# Altium PCB MB1428.PcbDoc (part 4 of 7) (continued)
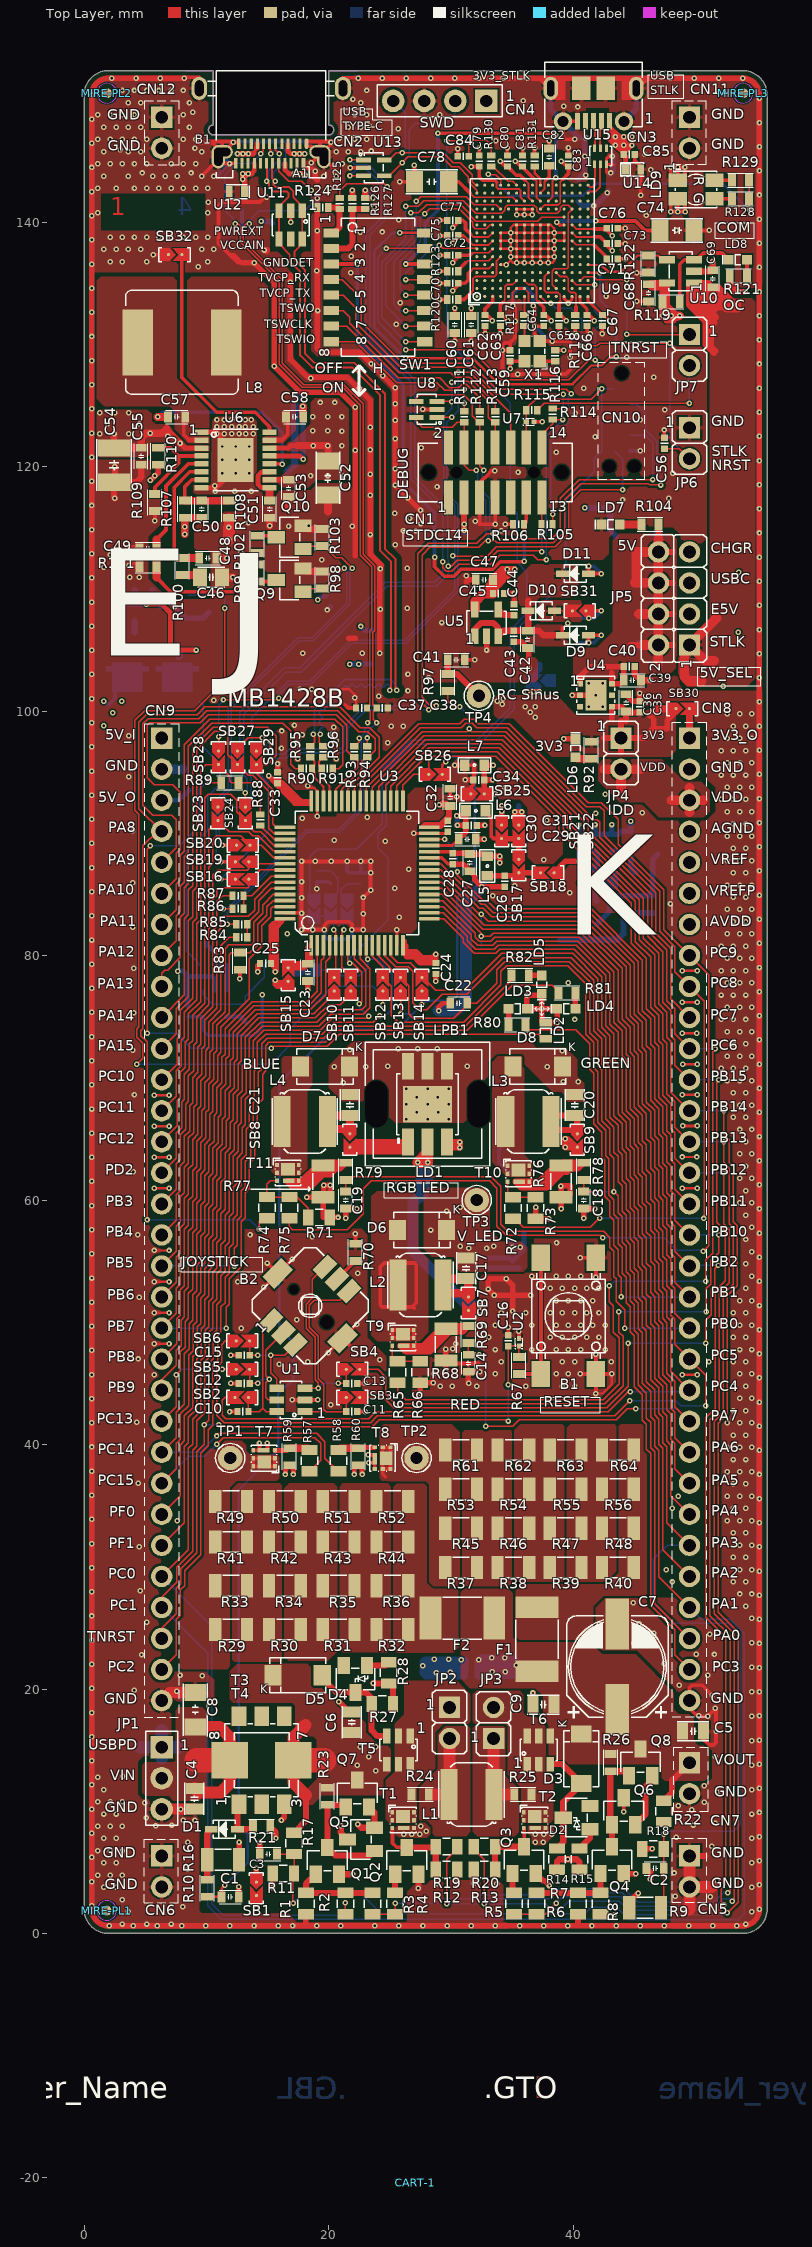
[diagram p0: Top Layer view]
## Nets (pads, with @x,y where several pads share a name; then routed paths per layer and width w, separated by ;. In a path a pad name is that pad's centre, name@x,y a point inside that pad or via, vN(x,y) a via of type N, cw(c..) or ccw(c..) an arc to the next point about the centre after c; other vN are vias at no path point) (continued)
  Bottom Layer w0.45: v1(7.4,108.55) 8.35,107.6 Q14.2@8.5,107.6 9.725,107.6 R141.1@10.225,108.1 ; v1(8.2,151.775) 2,151.775 ccw(c2,150.4) v1(0.625,150.4) 0.625,4.325 0.625,2.053 ccw(c2.053,2.053) v1(2.053,0.625) v1(15.878,0.625) ; 15.078,0.65 29.678,0.65 v1(29.703,0.625) 49.3,0.625 53.88,0.625 ccw(c53.88,2) v1(55.255,2) 55.255,2.428 55.25,2.428 55.25,150.405 ccw(c53.88,150.405) v1(53.88,151.775) v1(22.425,151.775) ; 19.075,142.312 v1(19.075,141.95) v1(19.075,139.3) 19.075,129.675 v1(19.375,129.375) 22.525,129.375 v1(24.45,127.45) v1(25.45,126.45) 25.425,126.425 25.45,126.4 v1(25.45,125.15) 25.45,123.85 25.425,123.825 v1(25.45,123.8) v1(25.45,122.3) v1(25.45,119.825) v1(25.45,118.5) v1(27.525,116.425) v1(27.525,115.35) ; v1(19.9,108.275) 20.15,108.525 ; CN3.8@38.175,150.95 38.175,149.25 CN3.7@39.175,148.25 40.5,146.925 v1(41.025,146.925) 40.95,146.85 v1(40.95,145.4) 40.95,143.9 v1(41.025,143.825) 40.755,143.825 40.43,143.5 ; 40.43,141.7 40.805,141.325 v1(41.705,141.325) 41.805,141.325 42.805,142.325 v1(42.805,142.4) 42.98,142.575 ; v1@42.98,143.93 v1(43.075,144.025) 43.3,144.25 43.3,145.325 v1(43.225,145.4) ; CN3.6@44.175,148.25 45.175,149.25 CN3.9@45.175,150.95
  Bottom Layer w0.5: v1(47.985,144.48) v1(49.16,144.48)
  Bottom Layer w0.6: 16.625,119.575 17.225,120.175 17.225,125.6 17.7,126.075
  Bottom Layer w0.8: CN9.2@6.35,95.25 8.05,95.25
  other v1: 4.028,0.625 7.978,0.625 9.953,0.625 11.928,0.625 13.903,0.625 23.778,0.625 25.753,0.625 27.728,0.625 33.653,0.625 35.628,0.625 37.603,0.625 39.578,0.625 41.553,0.625 43.528,0.625 45.503,0.625 47.478,0.625 49.453,0.625 51.428,0.625 53.403,0.625 17.053,0.65 19.028,0.65 21.003,0.65 3.125,0.775 5.125,0.775 7.125,0.775 54.125,0.775 3.625,1.775 54.625,1.775 8.075,2.175 0.624,2.275 3.125,2.775 51.225,3 48.375,3.05 1.625,3.775 2.625,3.775 54.625,3.775 55.255,3.975 28.875,4.075 33.75,4.075 0.624,4.25 51.8,4.325 1.125,4.775 2.125,4.775 3.125,4.775 48.275,4.95 8.475,5.275 1.625,5.775 2.625,5.775 54.625,5.775 55.255,5.95 0.624,6.225 1.125,6.775 2.125,6.775 3.125,6.775 51.35,7.15 8.5,7.45 36.925,7.45 37.575,7.45 1.625,7.775 2.625,7.775 54.625,7.775 48.45,7.875 55.255,7.925 26.15,8.125 26.8,8.125 27.45,8.125 36.925,8.125 37.6,8.125 38.25,8.125 0.624,8.2 28,8.375 1.125,8.775 2.125,8.775 3.125,8.775 27.55,8.775 5.875,8.825 7.175,8.875 49.85,8.875 51.65,9.025 8.1,9.275 9.075,9.275 5.1,9.45 1.625,9.775 2.625,9.775 54.625,9.775 55.255,9.9 49.725,10.125 7.925,10.15 0.624,10.175 48.625,10.45 4.975,10.7 50.725,10.75 1.125,10.775 2.125,10.775 3.125,10.775 51.8,11.575 1.625,11.775 54.625,11.775 55.255,11.875 50.75,12.075 0.624,12.15 1.125,12.775 3.175,12.85 54.625,13.775 55.255,13.85 0.624,14.125 51.65,14.475 54.625,15.775 55.255,15.825 0.624,16.1 54.625,17.775 50.3,17.8 55.255,17.8 0.624,18.075 54.625,19.775 55.255,19.775 7.575,19.825 4.1,19.9 0.624,20.05 48.7,20.3 9.675,21.1 7.85,21.125 51.025,21.125 55.255,21.75 54.625,21.775 0.624,22.025 47.45,22.075 4.7,22.8 51.575,22.825 50.075,22.85 55.255,23.725 44.975,23.75 54.625,23.775 0.624,24 51.175,24.475 46.6,24.55 42.13,25.319 45.43,25.319 5.125,25.45 55.255,25.7 54.625,25.775 0.624,25.975 54.125,26.775 44.925,27.075 55.255,27.675 53.625,27.775 54.625,27.775 0.624,27.95 4.6,28.025 48.125,28.775 53.125,28.775 54.125,28.775 55.255,29.65 47.625,29.775 53.625,29.775 54.625,29.775 0.624,29.925 53.125,30.775 54.125,30.775 4.5,31.625 55.255,31.625 53.625,31.775 54.625,31.775 0.624,31.9 53.125,32.775 54.125,32.775 55.255,33.6 7.625,33.775 52.625,33.775 53.625,33.775 54.625,33.775 0.624,33.875 48.125,34.775 53.125,34.775 54.125,34.775 55.255,35.575 48.625,35.775 52.625,35.775 53.625,35.775 54.625,35.775 0.624,35.85 53.125,36.775 54.125,36.775 4.425,36.85 55.255,37.55 52.625,37.775 53.625,37.775 54.625,37.775 0.624,37.825 53.125,38.775 54.125,38.775 55.255,39.525 52.625,39.775 53.625,39.775 54.625,39.775 0.624,39.8 53.125,40.775 54.125,40.775 55.255,41.5 0.624,41.775 52.625,41.775 53.625,41.775 54.625,41.775 4.3,41.825 53.125,42.775 54.125,42.775 20.175,43.25 55.255,43.475 0.624,43.75 53.625,43.775 54.625,43.775 29.125,44.775 30.125,44.775 32.125,44.775 36.125,44.775 39.125,44.775 40.125,44.775 53.125,44.775 54.125,44.775 55.255,45.45 0.624,45.725 5.75,45.725 28.625,45.775 33.625,45.775 38.625,45.775 39.625,45.775 53.625,45.775 54.625,45.775 15.975,46.575 18.3,46.775 34.125,46.775 39.125,46.775 40.125,46.775 43.125,46.775 51.125,46.775 53.125,46.775 54.125,46.775 24.2,46.925 4.45,47 55.255,47.425 0.624,47.7 33.625,47.775 36.625,47.775 38.625,47.775 39.625,47.775 40.625,47.775 42.625,47.775 53.625,47.775 54.625,47.775 30.15,47.825 30.425,48.25 33.125,48.775 38.125,48.775 39.125,48.775 40.125,48.775 41.125,48.775 42.125,48.775 53.125,48.775 54.125,48.775 55.255,49.4 12.85,49.525 0.624,49.675 32.625,49.775 33.625,49.775 36.625,49.775 38.625,49.775 39.625,49.775 40.625,49.775 41.625,49.775 42.625,49.775 53.625,49.775 54.625,49.775 17.4,50.2 34.125,50.775 36.125,50.775 38.125,50.775 39.125,50.775 40.125,50.775 41.125,50.775 42.125,50.775 53.125,50.775 54.125,50.775 55.255,51.375 0.624,51.65 38.625,51.775 39.625,51.775 40.625,51.775 41.625,51.775 53.625,51.775 54.625,51.775 4.5,52.05 38.125,52.775 39.125,52.775 40.125,52.775 41.125,52.775 42.125,52.775 54.125,52.775 12.575,53.325 55.255,53.35 0.624,53.625 36.625,53.775 38.625,53.775 39.625,53.775 40.625,53.775 54.625,53.775 22.375,54 54.125,54.775 55.255,55.325 0.624,55.6 54.625,55.775 38.65,56.525 54.125,56.775 18.675,57 4.4,57.15 13.575,57.15 55.255,57.3 0.624,57.575 54.625,57.775 54.125,58.775 55.255,59.275 0.624,59.55 53.625,59.775 54.625,59.775 54.125,60.775 55.255,61.25 0.624,61.525 53.625,61.775 54.625,61.775 4.025,62.325 54.125,62.775 55.255,63.225 0.624,63.5 53.625,63.775 54.625,63.775 54.125,64.775 55.255,65.2 0.624,65.475 53.625,65.775 54.625,65.775 53.125,66.775 54.125,66.775 55.255,67.175 0.624,67.45 53.625,67.775 54.625,67.775 4.125,68.6 53.125,68.775 54.125,68.775 55.255,69.15 0.624,69.425 52.625,69.775 53.625,69.775 54.625,69.775 52.125,70.775 53.125,70.775 54.125,70.775 55.255,71.125 0.624,71.4 52.625,71.775 53.625,71.775 54.625,71.775 4,72.275 53.125,72.775 54.125,72.775 55.255,73.1 0.624,73.375 52.625,73.775 53.625,73.775 54.625,73.775 40.125,74.775 52.125,74.775 53.125,74.775 54.125,74.775 55.255,75.075 4.075,75.325 0.625,75.35 52.625,75.775 53.625,75.775 54.625,75.775 52.125,76.775 53.125,76.775 54.125,76.775 55.255,77.05 0.625,77.325 39.625,77.775 52.625,77.775 53.625,77.775 54.625,77.775 52.125,78.775 53.125,78.775 54.125,78.775 4.05,78.975 55.256,79.025 0.625,79.3 52.625,79.775 53.625,79.775 54.625,79.775 52.125,80.775 53.125,80.775 54.125,80.775 55.256,81 0.625,81.275 16.625,81.775 52.625,81.775 53.625,81.775 54.625,81.775 4,82.325 53.125,82.775 54.125,82.775 55.256,82.975 25.775,83.15 0.625,83.25 52.625,83.775 53.625,83.775 54.625,83.775 47.975,84.25 53.125,84.775 54.125,84.775 33.45,84.9 55.256,84.95 39.725,85.15 0.625,85.225 25.4,85.525 35.25,85.725 52.625,85.775 53.625,85.775 54.625,85.775 3.975,85.975 53.125,86.775 54.125,86.775 55.256,86.925 26.575,87.05 0.625,87.2 52.625,87.775 53.625,87.775 54.625,87.775 37.6,87.825 53.125,88.775 54.125,88.775 55.256,88.9 0.625,89.175 24.625,89.35 20.45,89.45 52.625,89.775 53.625,89.775 54.625,89.775 4,90.225 53.125,90.775 54.125,90.775 55.256,90.875 37.85,91.075 0.625,91.15 17.85,91.225 23.15,91.325 26.575,91.325 41.875,91.65 45.675,91.675 52.625,91.775 53.625,91.775 54.625,91.775 52.125,92.775 53.125,92.775 54.125,92.775 55.256,92.85 0.625,93.125 42.625,93.2 34.425,93.75 52.625,93.775 53.625,93.775 54.625,93.775 3.65,94.625 52.125,94.775 53.125,94.775 54.125,94.775 55.256,94.825 0.625,95.1 52.625,95.775 53.625,95.775 54.625,95.775 17.464,96.104 20.614,96.104 52.125,96.775 53.125,96.775 54.125,96.775 55.256,96.8 16.15,96.975 0.625,97.075 24.85,97.4 17.45,97.425 20.625,97.575 52.625,97.775 53.625,97.775 54.625,97.775 3.65,97.975 17.839,98.054 20.264,98.129 16.175,98.375 20.425,98.675 25.125,98.775 26.125,98.775 53.125,98.775 54.125,98.775 55.256,98.775 17.214,98.829 0.625,99.05 52.625,99.775 53.625,99.775 54.625,99.775 41.3,100.35 42.45,100.35 55.256,100.75 10.625,100.875 0.625,101.025 22.15,101.1 24.125,101.2 26.5,101.675 17.625,101.775 18.625,101.775 52.275,102.05 41.3,102.275 42.45,102.275 55.256,102.725 28.2,102.75 0.625,103 26.5,103 55.256,104.7 17.9,104.725 22.75,104.725 24.175,104.725 0.625,104.975 53.525,106.45 55.256,106.675 0.625,106.95 39.575,107.175 29.275,107.25 24.25,108.35 26.45,108.425 55.256,108.65 0.625,108.925 55.256,110.625 0.625,110.9 3.725,110.95 4.525,110.95 2.9,110.975 31.275,111.075 53.575,111.35 24.25,111.65 26.425,111.675 1.625,111.775 2.625,111.775 12.525,111.925 19.45,112.375 55.256,112.6 2.125,112.775 3.125,112.775 0.625,112.875 12.825,113.1 25.45,113.625 55.256,114.575 26.125,114.775 27.125,114.775 34.125,114.775 0.625,114.85 16.725,115.125 21.95,115.125 18.375,115.175 13.45,115.4 32,115.525 26.625,115.775 25.4,116.2 55.256,116.55 0.625,116.825 44.05,117.3 47.85,117.425 26.5,117.45 10.725,117.975 12.325,117.975 13.675,117.975 28.875,118.35 10.7,118.425 55.256,118.525 0.625,118.8 48.175,119.475 35.5,119.525 55.256,120.5 0.625,120.775 38.625,121.175 27.6,121.55 41.8,122.45 55.256,122.475 28.825,122.6 10.875,122.675 11.475,122.675 12.1,122.675 12.675,122.675 13.225,122.675 13.85,122.675 0.625,122.75 10.875,123.275 11.475,123.275 12.1,123.275 12.675,123.275 13.2,123.275 13.825,123.275 10.875,123.825 11.455,123.819 12.1,123.825 12.675,123.825 13.2,123.825 13.675,123.825 40.175,124.375 55.256,124.45 47.5,124.65 0.625,124.725 22.5,126.4 40.875,126.41 55.256,126.425 0.625,126.7 18.55,127.25 46.6,127.325 55.256,128.4 23.475,128.425 0.625,128.675 44.4,128.95 55.256,130.375 16.775,130.55 0.625,130.65 41.4,130.875 25.525,131.65 55.256,132.35 0.625,132.625 19.125,132.775 25.85,133.425 42.7,133.925 55.256,134.325 0.625,134.6 21.8,135.875 19.05,136.025 55.256,136.3 9.325,136.35 0.625,136.575 2.125,136.775 3.125,136.775 5.125,136.775 10.125,136.775 21.875,137.2 14.725,137.725 1.625,137.775 2.625,137.775 3.625,137.775 4.625,137.775 9.625,137.775 10.625,137.775 55.256,138.275 0.625,138.55 2.125,138.775 3.125,138.775 4.125,138.775 5.125,138.775 6.125,138.775 7.125,138.775 8.125,138.775 9.125,138.775 10.125,138.775 22.6,139.175 24.4,139.2 48.45,139.35 25.75,140.2 55.256,140.25 0.625,140.525 46,140.55 1.125,140.775 10.125,140.775 23.725,141.225 10.15,141.625 55.256,142.225 0.625,142.5 1.125,142.775 2.63,142.769 4.125,142.775 5.125,142.775 6.125,142.775 7.125,142.775 8.125,142.775 9.125,142.775 10.125,142.775 20.125,142.775 1.625,143.775 3.625,143.775 5.625,143.775 6.625,143.775 7.625,143.775 9.625,143.775 10.625,143.775 19.625,143.775 20.625,143.775 4.775,144.025 8.75,144.025 55.256,144.2 46.35,144.3 0.625,144.475 1.125,144.775 2.125,144.775 3.125,144.775 4.125,144.775 5.125,144.775 7.125,144.775 8.125,144.775 9.125,144.775 21.125,144.775 45.85,145.55 1.625,145.775 3.625,145.775 4.625,145.775 9.625,145.775 20.625,145.775 21.625,145.775 22.625,145.775 23.5,145.825 2.975,145.925 9.075,146.05 55.256,146.175 0.625,146.45 33.675,146.675 1.125,146.775 2.125,146.775 3.125,146.775 4.125,146.775 5.125,146.775 8.125,146.775 9.125,146.775 22.125,146.775 23.125,146.775 40.125,146.775 20.875,146.85 25.7,147.65 1.625,147.775 2.625,147.775 3.625,147.775 4.625,147.775 8.625,147.775 21.625,147.775 22.625,147.775 23.35,147.9 36.825,148.075 32.95,148.15 55.256,148.15 0.625,148.425 1.125,148.775 2.125,148.775 3.125,148.775 4.125,148.775 8.125,148.775 22.125,148.775 23.125,148.775 29.1,148.8 8.9,149 40.375,149.425 39.225,149.475 3.625,149.775 4.625,149.775 8.625,149.775 22.625,149.775 35.925,149.95 22,150.075 55.256,150.125 3.125,150.775 4.125,150.775 5.125,150.775 6.125,150.775 7.125,150.775 8.125,150.775 23.125,150.775 2.275,151.775 4.25,151.775 6.225,151.775 24.4,151.775 26.375,151.775 28.35,151.775 30.325,151.775 32.3,151.775 34.275,151.775 36.25,151.775 47.955,151.775 49.93,151.775 51.905,151.775
  other v2: 12.4,119.45 13.5,119.45 11.3,120.55 13.5,120.55 12.4,121.65 13.5,121.65
GNDDet: SW1.11 U9.K13 | length 28.9
  Top Layer w0.15: U9.K13@37.98,141.725 38.31,142.055 38.31,143.355 v1(38.605,143.65)
  Top Layer w0.3: v1(26.325,136.58) SW1.11@27.86,136.58 SW1.11@27.92,136.58 ; v1(28.955,147.27) 38.435,147.27 v1(38.605,147.1)
  Bottom Layer w0.3: v1(26.325,136.58) 27.925,138.18 27.925,139.945 28.955,140.975 v1(28.955,147.27) ; v1(38.605,143.65) 38.605,144.275 38.455,144.425 38.455,145.975 38.605,146.125 v1(38.605,147.1)
GNDDetect: CN1.11 R106.2 SW1.3 | length 43.1
  Top Layer w0.3: SW1.3@20.105,136.58 SW1.3@20.24,136.58 22.335,136.58 v1(22.34,136.575) ; v1(28.675,112.575) 28.675,111.925 28.675,111.812 29.459,111.028 30.266,111.028 30.837,111.6 33.425,111.6 34.05,112.225 35.98,112.225 v1(36.005,112.25) ; v1(36,114.557) R106.2@36,115.285 36.175,115.46 CN1.11@36.175,117.493
  Bottom Layer w0.3: v1(22.34,136.575) 22.34,130.44 26.105,126.675 26.105,118.775 28.675,116.205 v1(28.675,112.575) ; v1@35.975,114.582 v1(36,114.557) 36,112.245 v1(36.005,112.25)
GREEN_LED_K: LD1.3 SB9.2 | length 33.4
  Top Layer w0.5: v1(30.75,64.3) v1@30.75,64.325 ; SB9.2@40.35,64.325 SB9.2@40.225,64.325 ; v1@30.75,64.325 29.925,64.325 29.7,64.55 LD1.3@29.7,64.75 v1(30.75,64.75) v1@30.75,64.325 ; SB9.2@40.225,64.325 v1(39.375,64.325) 39.35,64.35 v1(39.35,65) 39.55,65 SB9.2@40.225,64.325
  Signal Layer 2 w0.5: v1@39.375,64.3 v1(30.75,64.3) v1(30.75,64.75) ; v1(39.375,64.325) v1@39.375,64.375 ; v1@39.425,64.325 v1@39.375,64.375 ; v1(30.75,64.75) 39,64.75 v1@39.375,64.375 ; v1(30.75,64.75) 31,65 v1(39.35,65) 39.375,64.975 v1@39.375,64.375
  Bottom Layer w0.5: v1(30.75,64.3) v1(30.75,64.75)
JOYSTICK_DOWN: B2.3 C15.2 SB6.2 U1.4 | length 8.2
  Top Layer w0.12: SB6.2@13.55,48.475 C15.2@13.55,47.3 v1(14.2,47.3) ; U1.4@15.775,44.6 15.775,45.375 15.275,45.875 v1(15.275,47.3) 16.43,47.3 B2.3@17.298,48.168
  Bottom Layer w0.12: v1(14.2,47.3) v1(15.275,47.3)
JOYSTICK_LEFT: B2.1 C10.2 SB2.1 U1.6 | length 11.5
  Top Layer w0.12: SB2.1@13.45,43.875 C10.2@13.45,42.7 14.35,42.7 14.625,42.975 ; B2.1@15.318,50.148 14.625,49.455 14.625,42.975 ; U1.6@15.45,42.7 U1.6@15.775,42.7 14.9,42.7 14.625,42.975
JOYSTICK_RIGHT: B2.6 C11.2 SB3.1 U1.1 | length 17.4
  Top Layer w0.12: U1.1@18.075,42.7 19.45,42.7 19.625,42.875 ; SB3.1@21.45,43.85 C11.2@21.45,42.7 19.8,42.7 19.625,42.875 ; B2.6@21.682,52.552 20.93,51.8 18.825,51.8 18.425,51.4 18.425,49.589 19.15,48.864 19.15,45.4 19.625,44.925 19.625,42.875
JOYSTICK_SELECT: B2.2 C12.2 SB5.2 U1.5 | length 10.1
  Top Layer w0.12: SB5.2@13.55,46.175 C12.2@13.55,45 v1(14.2,45) ; U1.5@15.775,43.65 15.065,43.65 14.865,43.85 14.865,45.065 v1(15.15,45.35) 14.865,45.635 14.865,47.715 B2.2@16.308,49.158
  Bottom Layer w0.12: v1(14.2,45) 14.55,45.35 v1(15.15,45.35)
JOYSTICK_UP: B2.4 C13.2 SB4.1 U1.3 | length 15.7
  Top Layer w0.12: U1.3@18.075,44.6 v1(19.15,44.6) 19.15,45.061 18.91,45.301 18.91,48.765 18.175,49.5 18.175,51.489 18.675,51.989 18.675,53.505 B2.4@19.702,54.532 ; v1(20.8,45) C13.2@21.45,45 SB4.1@21.45,46.15
  Bottom Layer w0.12: v1(19.15,44.6) 19.55,45 v1(20.8,45)
LED_DOWN_BLUE: LD2.1 R89.2 | length 59.1
  Top Layer w0.12: v1(5.153,73.65) 5.153,88.701 v1(5.425,88.973) ; v1(10.175,94.35) 10.23,94.35 10.375,94.205 10.375,94.125 R89.2@11.225,94.125 ; v1(15.325,72.425) 15.473,72.573 19.879,72.573 20.868,73.562 37.188,73.562 37.55,73.2 LD2.1@37.775,73.2
  Bottom Layer w0.12: v1(5.153,73.65) 7.525,73.65 8.75,72.425 v1(15.325,72.425) ; v1(5.425,88.973) 7.798,88.973 9.425,90.6 9.425,93.6 v1(10.175,94.35)
LED_LEFT_ORANGE: LD3.1 R80.1 | length 1.3
  Top Layer w0.45: R80.1@34.725,74.35 LD3.1@34.725,75.65
LED_RIGHT_GREEN: LD4.1 R81.1 | length 1.3
  Top Layer w0.45: LD4.1@40.2,75.65 R81.1@40.2,76.95
LED_STLK: R128.2 R129.2 U9.D15 | length 27.5
  Top Layer w0.12: v1@33.05,143.895 33.68,143.895 34.085,143.49 34.085,143.03 U9.D15@34.08,143.025 U9.D15@34.075,143.02 ; v1(54.4,141) R128.2@54.4,141.925 R129.2@54.4,143.425
  Bottom Layer w0.2: v1(33.05,143.92) 34.795,142.175 40.825,142.175 41.8,143.15 52.25,143.15 v1(54.4,141)
LED_UP_RED: LD5.1 R82.1 | length 1.1
  Top Layer w0.45: R82.1@36.375,78.375 LD5.1@37.45,78.375
MCO: C84.2 R130.2 SB36.1 | length 83.5
  Top Layer w0.12: v1(29.68,146.675) 31.13,146.675 31.48,146.325 ; C84.2@31.48,145.4 31.48,146.325 ; R130.2@33.305,145.45 33.305,146.3 32.905,146.7 31.855,146.7 31.48,146.325
  Bottom Layer w0.12: SB36.1@18.814,84.354 18.464,84.704 18.464,88.089 19.075,88.7 22.275,88.7 24.375,90.8 24.375,95.275 26.725,97.625 32.18,97.625 34.85,100.295 34.85,106.62 36.225,107.995 36.225,111.375 35.425,112.175 35.425,116.2 34.85,116.775 34.85,125.18 29.68,130.35 v1(29.68,146.675)
NetB1_1: B1.1 B1.2 R67.2 | length 11.3
  Top Layer w0.3: R67.2@35.575,45.775 B1.1@37.375,45.775 B1.2@37.375,55.275
NetB2_5: B2.5 R70.2 | length 2.1
  Top Layer w0.3: B2.5@20.692,53.542 22.175,55.025 R70.2@22.2,55.025
NetC17_1: C17.1 L2.2 SB7.1 | length 6.5
  Top Layer w0.7: L2.2@29.325,52.65 29.6,52.375 31.15,52.375 SB7.1@31.45,52.075 31.45,53.375 C17.1@31.25,53.575 29.85,53.575 29.325,53.05 L2.2@29.325,52.65
NetC20_1: C20.1 L3.2 SB9.1 | length 6.4
  Top Layer w0.5: L3.2@38.145,66.425 38.845,65.725 40.05,65.725 SB9.1@40.35,65.425 40.35,66.72 C20.1@40.145,66.925 38.645,66.925 L3.2@38.145,66.425
NetC21_1: C21.1 L4.2 SB8.1 | length 5.9
  Top Layer w0.65: L4.2@19.85,66.425 20.475,65.8 21.275,65.8 21.65,65.425 SB8.1@21.75,65.425 C21.1@21.75,66.925 20.35,66.925 L4.2@19.85,66.425
NetC26_2: C26.2 L5.1 SB17.2 SB18.2 | length 4.5
  Top Layer w0.45: L5.1@32.989,86.529 C26.2@34.414,86.529 35.314,86.529 SB17.2@35.564,86.779 37.346,86.779 SB18.2@37.35,86.775
NetC41_2: C41.2 R97.2 TP4.1 | length 4.4
  Top Layer w0.5: C41.2@29.75,104.2 R97.2@29.75,103.05 30.5,103.05 TP4.1@32.3,101.25
NetC42_2: C42.2 C43.2 D9.2 D10.2 D11.2 U5.1 U5.3 | length 12.4
  Top Layer w0.3: 39.025,109.525 39.13,109.63 ; D9.2@39.13,106.205 39.13,106.845
  Top Layer w0.5: U5.1@31.975,106.125 31.975,106.7 32.5,107.225 33.459,107.225 33.875,106.809 U5.3@33.875,106.125 34.325,106.575 C43.2@35.15,106.575 C42.2@36.275,106.575 ; 36.35,109.05 36.335,109.035 D10.2@36.335,108.205 36.335,106.635 C42.2@36.275,106.575 ; D9.2@39.13,106.205 37.57,106.205 37.2,106.575 C42.2@36.275,106.575
NetC44_2: C44.2 U5.4 | length 1.5
  Top Layer w0.5: U5.4@33.875,108.325 34.35,107.85 C44.2@35.175,107.85
NetC46_2: C46.2 R100.1 | length 1.4
  Top Layer w0.65: R100.1@8.25,111.125 9.375,111.125 C46.2@9.55,110.95
NetC57_1: C57.1 U6.12 | length 15.5
  Top Layer w0.3: U6.12@15.175,120.225 16.2,120.225 v1(16.225,120.2)
  Top Layer w0.65: v1(6.025,124.075) C57.1@6.875,124.075
  Bottom Layer w0.3: v1(6.025,124.075) 6.4,124.45 14.55,124.45 16.225,122.775 v1(16.225,120.2)
NetC58_1: C58.1 U6.13 | length 8.1
  Top Layer w0.4: U6.13@15.175,120.875 17.65,120.875 v1(17.925,120.6) ; C58.1@17.9,124.1 C58.1@17.925,124.075
  Top Layer w0.65: C58.1@17.9,124.1 v1(17.9,124.925)
  Bottom Layer w0.4: v1(17.9,124.925) 17.9,120.625 v1(17.925,120.6)
NetC74_2: C74.2 U9.M10 | length 9.5
  Top Layer w0.25: 38.91,139.775 U9.M10@39.28,139.775
  Top Layer w0.3: v1(38.685,140) 38.91,139.775 ; v1(41.86,140.1) 45.105,140.1 45.88,139.325 C74.2@47.105,139.325
  Bottom Layer w0.3: v1(38.685,140) 38.785,140.1 v1(41.86,140.1)
NetC78_2: C78.2 U9.F13 | length 6.2
  Top Layer w0.12: 31.605,142.35 31.905,142.05 35.055,142.05 U9.F13@35.38,141.725
  Top Layer w0.3: C78.2@29.83,143.3 30.655,143.3 31.605,142.35
NetC82_2: C82.2 U9.J14 | length 2.6
  Top Layer w0.15: U9.J14@37.33,142.375 37.66,142.705 37.66,143.305 37.78,143.425
  Top Layer w0.3: 37.78,143.425 38.055,143.7 C82.2@38.055,144.625
NetC89_2: C89.2 R135.2 R136.1 U16.3 | length 5.1
  Bottom Layer w0.4: C89.2@9.975,80.975 10.8,80.15 R136.1@10.8,79.175 R135.2@11.75,79.175 11.65,79.075 U16.3@11.65,77.2
NetC94_1: C94.1 Q11.1 R137.1 U17.3 | length 9.7
  Bottom Layer w0.45: Q11.1@41.925,82.55 43.025,83.65 43.025,84.6 43.325,84.9 R137.1@46.525,84.9 C94.1@46.525,86.775 46.525,87.875 U17.3@46.925,88.275
NetC94_2: C94.2 R138.1 R139.2 SB37.1 U17.4 | length 6.2
  Bottom Layer w0.45: SB37.1@42.975,85.95 43.4,86.375 R138.1@43.4,87.35 43.4,88.3 R139.2@43.175,88.525 44.475,88.525 U17.4@44.725,88.275 44.725,87.175 C94.2@45.125,86.775
NetC102_1: C102.1 Q12.4 Q13.4 R140.2 R142.2 | length 14.5
  Top Layer w0.4: v1(5.075,105) 7.075,105 ; v1(5.075,108.75) 6.35,108.75 7.075,108.025 7.075,105 ; v1(9.175,105) 7.075,105
  Bottom Layer w0.4: Q13.4@4.5,105 v1(5.075,105) ; Q12.4@8.6,105 v1(9.175,105)
  Bottom Layer w0.5: C102.1@2.55,109.175 2.975,108.75 R140.2@4.15,108.75 ; R142.2@4.15,109.925 R140.2@4.15,108.75 ; v1(5.075,108.75) R140.2@4.15,108.75
NetC102_2: C102.2 Q12.1 Q12.2 Q12.3 Q13.1 Q13.2 Q13.3 R140.1 | length 5.5
  Bottom Layer w0.3: Q13.1@2.55,105 Q13.2@3.2,105 Q13.3@3.85,105 ; Q12.1@6.65,105 Q12.2@7.3,105 Q12.3@7.95,105 7.95,104.425 7.85,104.325 7.65,104.325
  Bottom Layer w0.5: 2.55,106.4 C102.2@2.55,107.475 ; 4.15,106.45 R140.1@4.15,107.35
NetD1_1: D1.1 R10.2 R16.1 | length 4.3
  Top Layer w0.5: R10.2@10.075,4.4 R16.1@10.075,6.025 10.075,8.195 D1.1@10.405,8.525
NetD2_1: D2.1 R15.1 | length 1.9
  Top Layer w0.5: R15.1@40.525,6.95 41.4,7.825 D2.1@41.4,8.525
NetD2_3: D2.3 D3.1 R14.1 T6.3 | length 9.3
  Top Layer w0.5: T6.3@38.15,13.85 39.11,13.85 D3.1@40.675,12.285 40.675,12.225 39.2,10.75 D2.3@39.2,9.475 39.2,7.475 R14.1@38.675,6.95
NetD4_1: D4.1 R28.2 | length 1.9
  Top Layer w0.5: D4.1@23.15,21.925 24.65,21.925 R28.2@24.925,22.2
NetD4_3: D4.3 D5.1 R27.2 T5.3 | length 9
  Top Layer w0.5: D5.1@19.49,21.125 19.49,20.885 20.65,19.725 D4.3@22.2,19.725 23.05,19.725 23.525,19.25 R27.2@23.525,18.775 23.525,16.625 24,16.15 T5.3@24.775,16.15
NetD6_1: D6.1 L2.1 T9.1 T9.2 T9.5 T9.6 T9.8 | length 20
  Top Layer w0.3: L2.1@25.725,53.05 L2.1@25.725,51.65 ; 27.025,51.15 26.925,51.25 ; L2.1@25.725,51.65 25.725,51.25 26.925,51.25 ; L2.1@25.725,51.65 25.325,51.25 24.4,51.25 24.225,51.425 24.225,54.525 24.55,54.85 27.025,54.85 27.175,54.7 27.175,51.6 26.925,51.35 26.925,51.25 ; T9.8@26.088,49.025 26.438,49.375 T9.6@26.975,49.375 T9.5@26.975,48.725 26.388,48.725 T9.8@26.088,49.025 ; T9.8@26.088,49.025 25.788,48.725 25.225,48.725 25.225,49.375 25.738,49.375 T9.8@26.088,49.025
NetD7_1: D7.1 L4.1 T11.1 T11.2 T11.5 T11.6 T11.8
NetD8_1: D8.1 L3.1 T10.1 T10.2 T10.5 T10.6 T10.8
NetD10_1: D10.1 SB31.2
NetF1_1: F1.1 R40.2 R48.2 R56.2 R64.2
NetF2_1: F2.1 R32.2 R36.2 R44.2 R52.2
NetJP2_1: JP2.1 R24.1 T1.1 T1.2 T1.5 T1.6 T1.8 T5.1 T5.2 T5.5 T5.6
NetJP2_2: JP2.2 L1.2 R24.2 | length 6.4
  Top Layer w0.4: R24.2@28.1,11.375 R24.2@28.2,11.375 28.525,11.375
  Top Layer w1: 28.525,11.375 29.9,11.375 JP2.2@29.9,15.955
NetJP3_1: JP3.1 L1.1 R25.1 | length 5.8
  Top Layer w1: JP3.1@33.5,15.955 33.5,11.375 34.7,11.375
NetJP3_2: JP3.2 R25.2 T2.1 T2.2 T2.5 T2.6 T2.8 T6.1 T6.2 T6.5 T6.6
NetJP7_2: JP7.2 R115.1 | length 15.8
  Top Layer w0.12: R115.1@37.075,124.632 37.628,125.185 49.465,125.185 49.48,125.2 49.505,125.175 v1(49.53,125.175)
  Bottom Layer w0.12: JP7.2@49.525,128.27 49.53,128.265 v1(49.53,125.175)
NetL6_1: L6.1 SB17.1 SB21.2 SB22.2 | length 6.4
  Top Layer w0.3: L6.1@32.714,91.854 33.325,91.243 33.325,89.75 33.496,89.579 SB21.2@34.164,89.579
  Top Layer w0.45: SB21.2@34.114,89.529 SB21.2@34.164,89.579 SB22.2@35.564,89.579 SB17.1@35.564,87.879
NetLD6_1: LD6.1 R92.1 | length 1.4
  Top Layer w0.6: LD6.1@40.2,96.225 40.325,96.1 R92.1@41.5,96.1
NetLD7_1: LD7.1 R104.1 | length 1.8
  Top Layer w0.65: LD7.1@43.825,115.275 R104.1@45.6,115.275
NetLD8_1: LD8.1 R121.1 | length 1.3
  Top Layer w0.3: R121.1@54.23,135.625 LD8.1@54.23,136.925
NetLD8_2: LD8.2 R119.1 U10.3 | length 7.7
  Top Layer w0.3: R119.1@48.73,133.5 48.73,136.55 49.105,136.925 U10.3@49.905,136.925 50.105,136.925 50.655,137.475 52.18,137.475 LD8.2@52.73,136.925
NetLD9_2: LD9.2 R129.1 | length 1.4
  Top Layer w0.3: LD9.2@51.575,143.425 R129.1@53,143.425
NetLD9_3: LD9.3 R128.1 | length 1.4
  Top Layer w0.3: LD9.3@51.575,141.925 R128.1@53,141.925